# KiCad board EBAZ4205.kicad_pcb (continued)
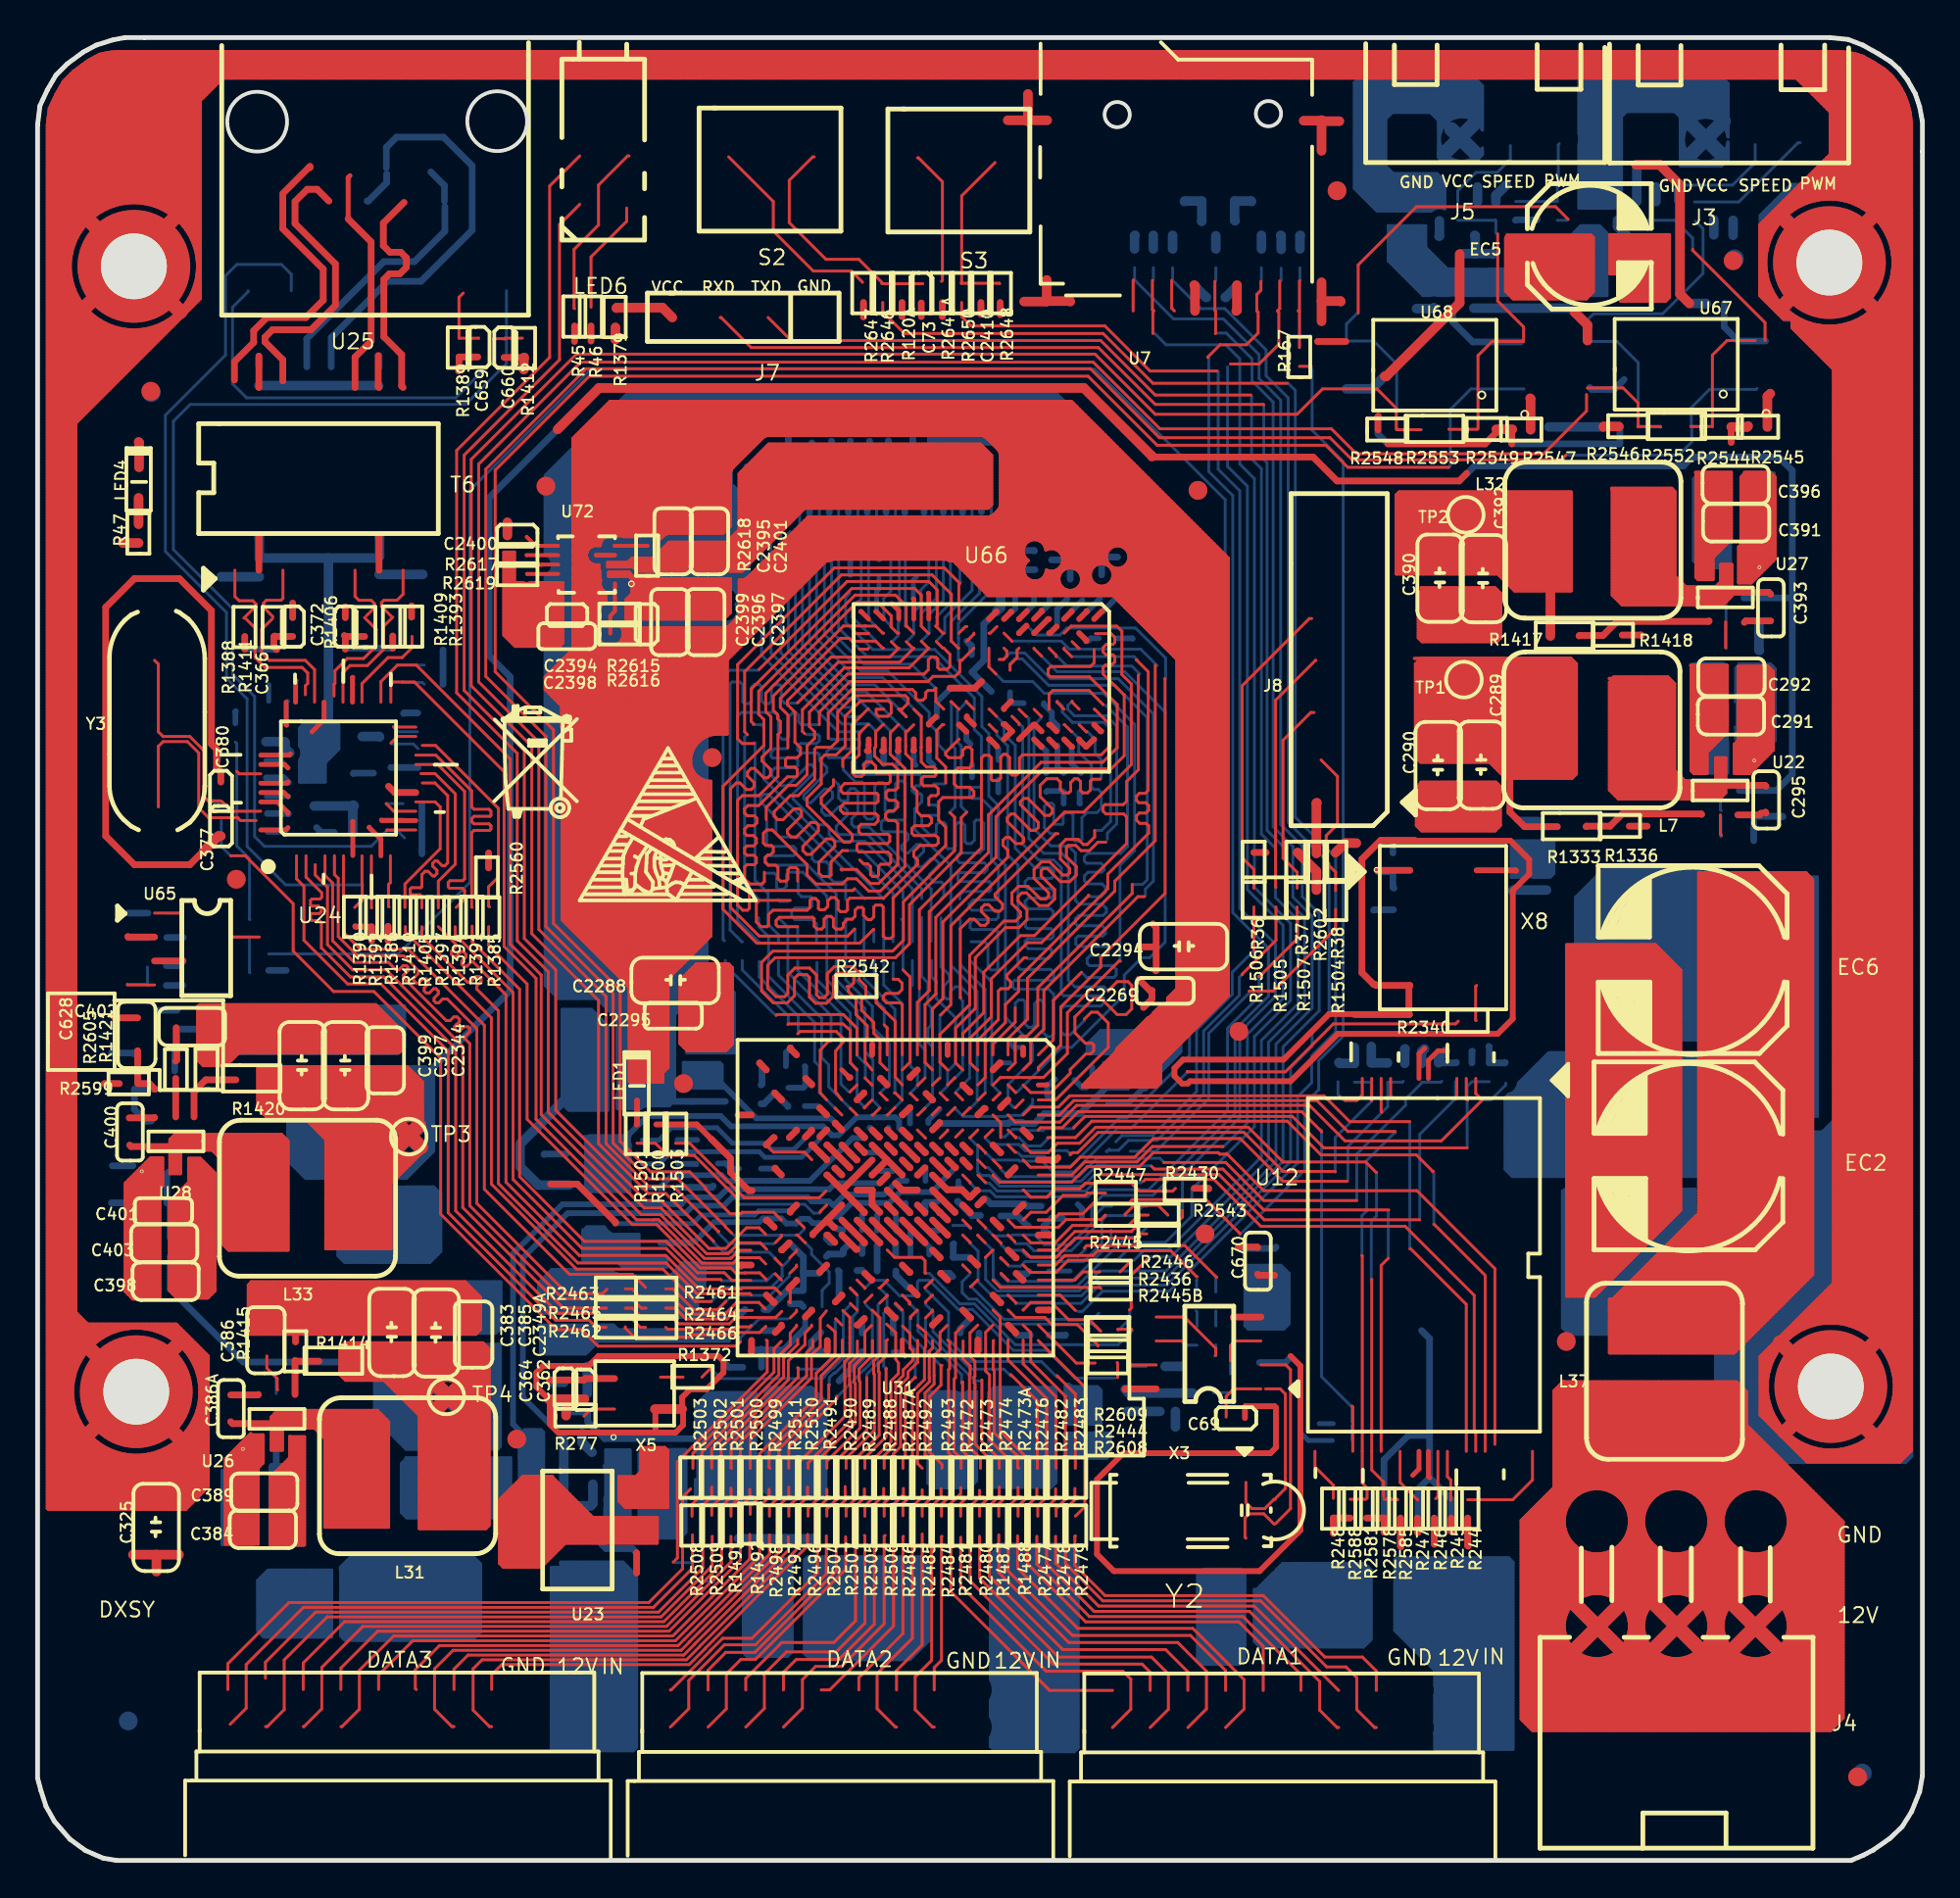
[diagram p0: board, top side]
## Routing (per net, layer and track width the routed paths; a pad name or vN(x,y) marks a point on that pad's centre or on a via; arc(x,y) is an arc through that point) (continued)
; 76.12,6.75 79.66,6.75 ; 62.71,81.67 62.71,83.66 ; 47.34,75.17 47.34,89.79 ; 3.02,29.73 3.02,74.9 ; 60.92,20.85 79.6,20.85 ; 59.45,36.6 68.66,36.6 ; 16.86,7.71 16.86,8.51 ; 83.67,51.33 84.43,51.33 ; 45.69,38.88 47.03,38.88 ; 18.47,80.28 62,80.28 ; 37.05,25.09 37.05,27.41 ; 22.58,9.93 23.74,9.93 ; 12.8,9.75 12.8,25.26 ; 27.55,25.8 43.74,25.8 ; 13.81,76.56 13.81,82.68 ; 59.91,7.68 59.91,8.45 ; 10.12,22.25 52.38,22.25 ; 64.09,7.39 64.35,7.39 ; 21.52,90.19 28.09,90.19 ; 55.72,45.17 55.72,46.92 ; 52.33,24.66 52.54,24.66 ; 54.83,29.26 54.83,37.3 ; 44.29,9.79 44.29,25.34 ; 2.92,37.87 19.19,37.87 ; 51.44,65.68 52.26,65.68 ; 7.57,43.58 28.3,43.58 ; 47.98,34.03 47.98,36.48 ; 13.5,92.1 22.65,92.1 ; 44.54,74.82 44.76,74.82 ; 10.12,22.12 52.31,22.12 ; 46.05,86.76 52.08,86.76 ; 60.74,84.09 61.24,84.09 ; 53.09,38.76 53.47,38.76 ; 70.96,76.94 70.96,88.27 ; 20.54,38.97 20.54,70.75 ; 36.42,91.59 36.42,96 ; 39.34,33.23 39.34,38.11 ; 19.78,9.95 19.78,13.95 ; 38.83,75.15 38.83,81.2 ; 87.75,49.3 93.14,49.3 ; 51.53,0.53 51.53,6.19 ; 62.33,86.6 62.33,87.13 ; 89,72.41 89.1,72.41 ; 47.54,72.41 47.81,72.41 ; 43.84,61.36 48.39,61.36 ; 24.85,6.5 25.49,6.5 ; 52.24,37.36 54.72,37.36 ; 44.8,9.27 44.8,26.02 ; 38.44,8.53 38.94,8.53 ; 50.39,25.94 50.39,31.71 ; 12.92,93.95 12.92,96.32 ; 36.36,67.71 48.78,67.71 ; 2.91,40.91 5.88,40.91 ; 36.55,9.41 36.55,23.93 ; 49.53,75.08 49.95,75.08 ; 46.2,0.54 46.2,6.31 ; 59.41,9.96 59.41,36.58 ; 52.17,30.02 52.17,30.84 ; 28.54,27.71 28.54,41.11 ; 42.01,0.54 42.01,6.23 ; 51.4,33.2 51.4,33.29 ; 59.02,7.98 59.02,8.14 ; 39.85,43.59 39.85,44.11 ; 13.36,20.21 13.65,20.21 ; 38.52,63.77 48.69,63.77 ; 37.56,0.54 37.56,6.18 ; 52.38,39.9 71.14,39.9 ; 17.1,55.52 17.93,55.52 ; 34.56,8.78 34.8,8.78 ; 72.68,69.74 73.03,69.74 ; 41.88,72.7 41.88,74.52 ; 52.19,61.74 53.86,61.74 ; 17.06,7.26 17.23,7.26 ; 47.53,34.69 48.51,34.69 ; 52.08,63.14 58.23,63.14 ; 44.45,75.08 44.85,75.08 ; 71.27,70.89 72.16,70.89 ; 52.88,66.82 54.8,66.82 ; 47.47,75.09 47.47,89.89 ; 8.19,33.42 28.97,33.42 ; 70.84,67.32 70.84,68.08 ; 35.72,8.15 37.64,8.15 ; 4.92,49.55 4.92,50.05 ; 56.64,54.76 89.25,54.76 ; 2.83,65.68 25.29,65.68 ; 58.52,29.48 66.02,29.48 ; 9.28,84.35 10.73,84.35 ; 56.71,43.58 57.39,43.58 ; 35.75,89.56 42.27,89.56 ; 34.15,7.89 35.2,7.89 ; 49.63,8.02 49.63,8.15 ; 48.64,7.01 48.8,7.01 ; 34.14,15.64 66.2,15.64 ; 8.81,80.67 24.04,80.67 ; 50.52,0.53 50.52,6.62 ; 48.74,42.03 48.74,43.19 ; 62.13,8.91 62.3,8.91 ; 48.48,59.34 48.48,61.31 ; 38.42,60.22 40.52,60.22 ; 29.26,41.3 43.01,41.3 ; 24.86,94.4 24.86,96.32 ; 50.64,25.55 51.52,25.55 ; 47.59,62.74 47.59,64.56 ; 13.68,58.31 18.43,58.31 ; 28.98,43.2 36.05,43.2 ; 46.75,38.25 46.92,38.25 ; 18.89,56.44 18.89,57.79 ; 71.09,36.98 71.09,40.07 ; 20.42,0.54 20.42,6.24 ; 43.28,75.16 43.28,86.94 ; 43.24,58.19 67.41,58.19 ; 38.7,0.54 38.7,52.18 ; 29.71,81.17 30.43,81.17 ; 35.15,23.47 35.15,23.63 ; 9.28,84.73 74.49,84.73 ; 67.79,67.32 67.79,68.08 ; 45.17,30.5 46.01,30.5 ; 11.02,6.88 11.24,6.88 ; 18.59,55.65 38.47,55.65 ; 55.98,22.82 55.98,32.27 ; 33.76,19.58 59.71,19.58 ; 11.65,84.36 11.65,90.68 ; 59.52,80.92 62.51,80.92 ; 40.62,49.3 43.2,49.3 ; 33.24,0.54 33.24,6.28 ; 50.26,63.14 50.26,72.01 ; 15.04,8.91 15.23,8.91 ; 20.97,9.55 21.34,9.55 ; 83.66,76.5 83.66,78.16 ; 69.95,64.58 69.95,65.75 ; 54.83,64.39 54.83,66.16 ; 85.95,39.59 85.95,78.15 ; 2.89,47.65 12.94,47.65 ; 21.69,89.25 21.69,96.32 ; 13.81,90.75 13.81,96.32 ; 23.46,7.73 23.46,8.49 ; 7.72,0.55 7.72,17.51 ; 78.84,53.03 78.84,55.02 ; 13.52,92.22 22.62,92.22 ; 14.32,60.35 14.32,70.75 ; 49.37,66.07 49.37,67.72 ; 54.53,64.28 54.71,64.28 ; 73.15,43.07 74.58,43.07 ; 14.41,83.71 21.76,83.71 ; 58.26,38.23 58.26,46.7 ; 28.01,75.97 80.22,75.97 ; 38.5,59.33 39.55,59.33 ; 68.55,9.68 68.55,23.07 ; 71.35,61.87 76.58,61.87 ; 13.56,58.47 13.56,60.18 ; 70.31,24.02 79.59,24.02 ; 38.58,55.74 38.58,63.05 ; 74.17,7.01 74.32,7.01 ; 70.07,43.67 70.07,53.77 ; 8.73,29.37 8.73,29.92 ; 34.2,82.95 35.9,82.95 ; 46.19,7.89 47.23,7.89 ; 39.21,45.36 39.21,71.99 ; 58.14,0.53 58.14,24.78 ; 59.66,50.09 59.66,62.68 ; 52.04,0.53 52.04,6.23 ; 9.29,90.7 11.43,90.7 ; 55.09,0.53 55.09,28.86 ; 56.61,54.47 56.61,54.67 ; 55.09,66.89 55.09,67.83 ; 19.53,39.33 19.53,39.5 ; 50.01,28.97 50.01,30.36 ; 47.4,65.81 47.49,65.81 ; 68.72,38.76 71.86,38.76 ; 59.15,47.53 59.15,49.51 ; 44.56,9.42 44.85,9.42 ; 65.63,53.95 65.63,77.37 ; 23.5,83.97 24.12,83.97 ; 10.76,0.55 10.76,6.45 ; 68.55,7.7 68.55,8.42 ; 9.28,87.4 28.31,87.4 ; 37.25,82.06 37.95,82.06 ; 66.62,30.63 70.74,30.63 ; 57.87,69.36 67.24,69.36 ; 9.37,0.55 9.37,6.59 ; 39.39,45.36 47.87,45.36 ; 53.82,0.53 53.82,32.88 ; 50.72,38.76 50.94,38.76 ; 7.46,29.37 7.46,42.84 ; 4.6,76.47 8.27,76.47 ; 72.36,72.78 72.36,86.87 ; 18.89,40.75 18.89,54.59 ; 73.17,40.53 75.08,40.53 ; 33.88,0.54 33.88,6.19 ; 23.21,25.18 23.21,25.68 ; 65.12,84.44 65.12,86.11 ; 72.14,34.31 73.22,34.31 ; 3.78,29.37 3.78,41.03 ; 16.92,6.62 17.37,6.62 ; 53.76,63.9 53.85,63.9 ; 23.05,7.39 23.27,7.39 ; 67.53,59.59 67.53,60.61 ; 51.28,64.31 51.28,65.35 ; 9.11,30.37 42.87,30.37 ; 68.3,67.33 68.3,68.07 ; 22.5,24.15 22.78,24.15 ; 83.41,76.68 83.41,78.17 ; 89,72.23 89,72.39 ; 47.59,65.95 47.59,90.02 ; 43.28,7.92 43.28,8.25 ; 55.21,64.4 55.21,66.15 ; 45.83,41.17 46.19,41.17 ; 51.4,38.88 51.4,40.5 ; 43.95,88.03 44.12,88.03 ; 56.92,57.68 93.12,57.68 ; 47.12,25.67 48.85,25.67 ; 33.5,83.01 33.5,96.31 ; 67.55,16.02 79.62,16.02 ; 34.25,9.8 35.1,9.8 ; 44.17,60.22 44.17,60.75 ; 63.6,7.92 63.6,8.2 ; 50.59,62.89 50.71,62.89 ; 36.21,26.44 40.12,26.44 ; 44.2,41.3 44.63,41.3 ; 38.32,59.79 38.32,60.13 ; 26.64,9.9 26.64,19.62 ; 21.32,72.54 38.7,72.54 ; 2.82,68.98 52.8,68.98 ; 53.06,69.09 53.06,69.31 ; 71.84,78.63 80.58,78.63 ; 46.34,74.44 47.04,74.44 ; 46.07,91.25 46.07,94.99 ; 28.94,27.71 37.02,27.71 ; 70.09,36.22 82.51,36.22 ; 48.81,43.33 69.68,43.33 ; 58.01,0.53 58.01,6.62 ; 82.9,36.6 82.9,50.59 ; 75.66,72.39 75.66,73.76 ; 64.36,33.29 79.55,33.29 ; 50.01,28.72 79.57,28.72 ; 44.29,40.37 44.29,41.36 ; 11.91,8.03 11.91,8.2 ; 43.46,13.61 66.18,13.61 ; 73.76,0.53 73.76,6.3 ; 59.53,37.25 59.53,46.96 ; 51.66,29.79 51.66,31.16 ; 55.6,51.59 55.6,59.76 ; 41.5,31.66 41.5,34.1 ; 26.9,8.53 27.44,8.53 ; 23.34,7.55 23.34,8.68 ; 21.81,89.24 21.81,96.32 ; 45.94,33.08 45.94,34.28 ; 36.05,24.79 36.53,24.79 ; 45.18,89.48 45.18,95.08 ; 26.39,10 26.39,19.77 ; 72.11,7.41 72.11,8.72 ; 41.75,13.11 41.75,25.05 ; 41.89,34.18 43.77,34.18 ; 27.04,8.78 27.3,8.78 ; 8.1,0.55 8.1,17.51 ; 65.5,86.63 65.78,86.63 ; 83.77,51.84 84.34,51.84 ; 46.96,46.79 46.96,58.91 ; 25.09,7.13 25.24,7.13 ; 46.66,41.17 46.97,41.17 ; 84.17,75.85 84.17,78.16 ; 46.48,65.43 46.74,65.43 ; 48.61,41.16 48.61,41.32 ; 27.91,76.49 27.91,96.32 ; 27.53,36.32 27.53,75.81 ; 67.91,9.67 67.91,22.98 ; 9.29,89.56 13.72,89.56 ; 75.15,0.53 75.15,6.15 ; 65.37,18.14 65.37,19.06 ; 46.06,6.24 47.36,6.24 ; 51.79,31.49 51.79,32.61 ; 43.14,52.73 70.91,52.73 ; 16.35,91.01 16.35,96.32 ; 44.8,0.54 44.8,6.91 ; 42.77,72.57 42.77,74.63 ; 66.64,7.8 66.64,8.33 ; 10.05,18.82 65.58,18.82 ; 47.21,9.86 47.21,28.48 ; 53.31,89.32 53.31,94.23 ; 52.8,89.51 52.8,94.28 ; 88.11,63.69 88.11,78.14 ; 17.88,76.56 17.88,79.79 ; 42.84,28.85 43.61,28.85 ; 22.07,84.25 22.07,87.5 ; 37.31,36.94 37.31,89.85 ; 51.56,38.76 51.74,38.76 ; 9.3,94.76 48.21,94.76 ; 46.83,88.73 46.83,89.65 ; 67.03,86.85 67.03,95.84 ; 49.75,8.03 49.75,8.15 ; 2.84,63.27 19.74,63.27 ; 49.88,72.54 49.88,74.69 ; 13.3,84.46 13.3,91.62 ; 53.04,66.44 54.64,66.44 ; 43.66,29.04 43.66,29.67 ; 21.31,76.56 21.31,87.46 ; 14.35,17.93 65.32,17.93 ; 10.76,94.18 10.76,96.32 ; 16.86,0.55 16.86,6.54 ; 66.14,31.39 79.56,31.39 ; 36.92,88.29 41.1,88.29 ; 47.85,72.58 47.85,74.62 ; 89.02,70.89 93.09,70.89 ; 64.36,78.33 64.36,95.57 ; 56.23,64.79 67.81,64.79 ; 51.66,31.34 51.66,32.86 ; 54.58,65.78 54.58,68.07 ; 1.89,6.62 9.34,6.62 ; 55.72,60.46 55.72,64.53 ; 51.4,64.25 51.4,65.5 ; 23.85,26.42 23.85,90.81 ; 60.78,22.75 79.59,22.75 ; 40.48,60.17 40.48,61.23 ; 50.01,32.18 50.01,32.78 ; 45.31,41.11 45.31,44.18 ; 63.34,9.97 63.34,26.23 ; 51.42,65.55 52.29,65.55 ; 49.37,64.13 49.37,65.28 ; 60.02,37.61 63.01,37.61 ; 68.76,65.81 69.89,65.81 ; 50.72,35.45 62.07,35.45 ; 26.51,66.66 26.51,96.32 ; 48.36,7.77 49.07,7.77 ; 36.29,66.63 36.29,67.06 ; 19.02,9.42 19.28,9.42 ; 4.37,0.78 79.68,0.78 ; 18.26,55.77 18.26,55.99 ; 16.36,88.03 16.65,88.03 ; 43.4,40.39 43.4,40.61 ; 52.17,41.25 52.17,45.01 ; 68.8,72.07 68.8,96.02 ; 21.07,7.26 21.24,7.26 ; 44.04,75.2 44.04,81.77 ; 45.82,74.96 45.82,86.7 ; 47.85,0.53 47.85,6.18 ; 39.37,32.53 39.74,32.53 ; 72.99,0.53 72.99,6.18 ; 2.82,68.09 33.41,68.09 ; 38.96,7.67 38.96,8.51 ; 56.26,51.58 58.11,51.58 ; 69.44,36.72 70.87,36.72 ; 25.75,7.95 25.75,8.27 ; 1.92,12.72 40.62,12.72 ; 43.41,12.85 79.63,12.85 ; 7.91,79.78 11.55,79.78 ; 53.69,64.39 53.69,68.93 ; 79.6,33.36 79.6,79.61 ; 65.89,8.4 66.56,8.4 ; 16.86,90.96 16.86,96.32 ; 27.63,36.22 44.46,36.22 ; 9.28,87.9 14.65,87.9 ; 50.52,7.58 50.52,8.6 ; 6.7,29.37 6.7,44.95 ; 1.92,11.32 79.64,11.32 ; 67.15,61.46 67.15,63.8 ; 9.88,9.99 9.88,18.64 ; 35.66,23.41 35.66,23.59 ; 43.02,89.49 43.02,95.31 ; 61.82,7.78 61.82,8.35 ; 2.84,63.52 19.52,63.52 ; 52.04,61.25 52.04,61.39 ; 31.85,16.77 31.85,87.3 ; 63.85,0.53 63.85,6.4 ; 64.23,0.53 64.23,33.05 ; 44.21,38.76 44.5,38.76 ; 12.03,94.39 12.03,96.32 ; 58.65,84.35 59.02,84.35 ; 44.28,30.75 44.5,30.75 ; 49.19,37.87 50.11,37.87 ; 45.31,60.45 45.31,64.5 ; 73.41,39.26 85.61,39.26 ; 66.39,9.45 66.39,13.14 ; 38.7,55.79 38.7,63.15 ; 42.5,74.7 42.75,74.7 ; 52.81,66.06 54.12,66.06 ; 24.73,84.45 24.73,90.73 ; 24.73,7.86 24.73,8.37 ; 44.29,0.54 44.29,6.38 ; 10.12,20.98 32.23,20.98 ; 46.57,6.75 46.85,6.75 ; 63.22,8 63.22,8.12 ; 36.29,0.54 36.29,6.4 ; 38.39,6.5 38.99,6.5 ; 13.43,93.21 13.43,96.32 ; 44.29,82.34 44.29,87.42 ; 10.89,84.42 10.89,90.86 ; 70.58,59.76 70.58,60.44 ; 15.05,7.26 15.22,7.26 ; 58.52,86.13 59.25,86.13 ; 12.16,80.18 12.16,90.74 ; 43.28,14.58 43.28,29.26 ; 10.12,26.44 23.01,26.44 ; 66.38,84.35 66.87,84.35 ; 28.85,42.82 51.09,42.82 ; 55.44,38.76 67.93,38.76 ; 44.36,33.04 45.22,33.04 ; 29.77,88.03 30.55,88.03 ; 83,51.96 83.21,51.96 ; 9.29,92.48 9.82,92.48 ; 65.7,53.87 69.9,53.87 ; 32.4,88.16 34.07,88.16 ; 59.77,86.51 60.01,86.51 ; 39.56,38.63 40.48,38.63 ; 66.35,18.94 79.61,18.94 ; 43.4,42.01 43.4,49.19 ; 71.34,77.27 71.34,78.83 ; 26.32,92.73 56.52,92.73 ; 43.52,72.41 43.73,72.41 ; 45.94,38.69 45.94,39.84 ; 2.89,46.25 4.66,46.25 ; 52.35,29.87 66.22,29.87 ; 50.09,9.93 51.36,9.93 ; 31.47,91.65 31.47,96.32 ; 75.8,9.8 79.64,9.8 ; 67.03,16.13 67.03,83.7 ; 40.96,60.35 41.22,60.35 ; 79.06,55.65 93.13,55.65 ; 6.32,29.37 6.32,40.66 ; 50.64,40.35 50.64,40.52 ; 44.58,8.78 44.83,8.78 ; 75.03,7.98 75.03,8.15 ; 68.42,0.53 68.42,6.62 ; 71.47,59.08 93.12,59.08 ; 52.04,38.91 52.04,39.68 ; 13.3,9.51 13.3,17.43 ; 31.59,0.54 31.59,16.1 ; 60.93,23.18 60.93,27.14 ; 48.48,0.53 48.48,6.58 ; 64.32,33.17 79.55,33.17 ; 76.82,72.03 88.45,72.03 ; 57.76,69.11 67.16,69.11 ; 66.01,84.46 66.01,86.13 ; 70.45,64.82 70.45,65.51 ; 49.63,34.87 49.63,35.71 ; 67.91,0.53 67.91,6.45 ; 48.29,31.77 49.38,31.77 ; 47.4,60.98 47.5,60.98 ; 87.06,48.79 87.15,48.79 ; 57.75,9.79 57.75,24.7 ; 76.83,62.89 88.1,62.89 ; 44.63,9.04 44.78,9.04 ; 49.12,64.27 49.12,65.43 ; 49.76,61.49 51.47,61.49 ; 26.78,8.4 27.56,8.4 ; 56.18,51.07 58.58,51.07 ; 42.45,7.64 42.95,7.64 ; 65.5,54.02 65.5,77.17 ; 54.55,63.9 54.66,63.9 ; 60.68,9.81 60.68,16.2 ; 49.79,36.47 56.11,36.47 ; 43.87,49.55 44.11,49.55 ; 21.32,76.09 27.29,76.09 ; 67.28,71.98 67.28,83.7 ; 49.74,59.84 50.71,59.84 ; 51.53,36.6 56.12,36.6 ; 2.93,35.45 50.08,35.45 ; 2.81,70.76 8.27,70.76 ; 29.83,80.79 30.39,80.79 ; 46.43,47.52 55.24,47.52 ; 35.15,0.54 35.15,6.34 ; 90.52,75.46 92.36,75.46 ; 52.89,66.19 54.79,66.19 ; 50.64,36.39 50.64,36.6 50.97,36.6 ; 9.28,84.6 74.62,84.6 ; 43.53,89.16 43.53,95.25 ; 61.69,87.55 61.69,94.79 ; 46.7,38.76 46.88,38.76 ; 39.21,41.24 39.21,44.59 ; 71.09,58.06 93.12,58.06 ; 58.99,36.47 68.7,36.47 ; 20.57,9.93 21.74,9.93 ; 50.9,63.53 50.9,63.65 ; 35.91,82.95 35.91,86.78 ; 54.58,59.41 54.58,61.48 ; 28.99,9.55 32.88,9.55 ; 41.63,0.54 41.63,6.18 ; 49.37,38.77 49.37,39.75 ; 8.96,32.02 38.86,32.02 ; 52.19,27.71 60.68,27.71 60.68,34.3 ; 41.88,91.48 41.88,95.43 ; 81.5,35.87 81.5,74.45 ; 40.32,72.66 40.78,72.66 ; 44.17,33.23 44.17,34.14 ; 12.12,79.9 17.78,79.9 ; 73.55,72.41 75.71,72.41 ; 26.23,91.97 69.89,91.97 ; 12.91,6.62 13.36,6.62 ; 78.71,75.7 78.71,80.5 ; 71.6,75.7 71.6,76.57 ; 38.99,52.34 40.12,52.34 ; 16.61,7.93 16.61,8.3 ; 87.82,49.17 93.14,49.17 ; 9.27,82.57 32.96,82.57 ; 42.9,14.6 42.9,24.57 ; 44.34,34.69 45.27,34.69 ; 74.14,34.21 74.14,36.31 ; 18.88,9.67 19.42,9.67 ; 41.15,38.76 41.33,38.76 ; 61.31,88.57 61.31,94.66 ; 51.79,0.53 51.79,6.17 ; 50.01,33.84 50.01,34.38 ; 70.45,53.87 93.13,53.87 ; 70.84,9.89 70.84,30.57 ; 64.48,47.26 64.64,47.26 ; 51.61,33.8 73.29,33.8 ; 52.67,61.29 52.67,65.31 ; 30.07,0.54 30.07,33.08 ; 40.23,49.98 40.23,50.75 ; 52.8,68.98 52.8,69.39 ; 45.94,41.04 45.94,47.02 ; 73.08,43.45 74.8,43.45 ; 64.87,47.43 64.87,48.06 ; 55.09,38.04 55.09,38.64 ; 89.89,75.79 89.89,77.9 ; 63.73,79.9 67.67,79.9 ; 46.71,37.15 46.71,38.2 ; 67.03,9.96 67.03,13.19 ; 56.1,32.88 56.1,43.65 ; 40.37,34.69 41.3,34.69 ; 9.28,88.54 14.57,88.54 ; 90.52,44.08 90.52,77.27 ; 42.64,14.52 42.64,24.32 ; 18.64,60.59 18.64,64.23 ; 21.32,76.35 27.32,76.35 ; 23.47,83.08 24.15,83.08 ; 45.69,65.91 45.69,86.68 ; 23.72,26.44 23.72,90.86 ; 88.23,63.76 88.23,69.94 ; 20.42,76.56 20.42,87.9 ; 40.26,34.82 41.43,34.82 ; 2.95,30.5 8.37,30.5 ; 74.26,60.93 74.26,61.07 ; 47.8,56.28 67.15,56.28 ; 51.02,41.19 51.02,42.11 ; 64.2,33.68 73.95,33.68 ; 34.13,7.91 34.13,8.27 ; 40.49,6.62 40.9,6.62 ; 41.99,39.9 42.09,39.9 ; 48.48,40.27 48.48,40.71 ; 9.28,86.38 58.02,86.38 ; 82.27,35.99 82.27,78.17 ; 4.85,70.38 11.39,70.38 ; 29.18,41.58 29.18,41.76 ; 48.35,8.4 49.08,8.4 ; 50.29,6.37 51.15,6.37 ; 18.89,58.56 18.89,59.09 ; 15.39,89.94 15.6,89.94 ; 57.26,21.74 79.6,21.74 ; 47.18,64.54 47.62,64.54 ; 88.88,71.9 89.06,71.9 ; 45.02,66.44 50.63,66.44 ; 73.26,39.64 86,39.64 ; 59.82,7.77 60.59,7.77 ; 9.11,30.25 42.93,30.25 ; 43.78,53.66 43.78,59.68 ; 71.67,7.89 72.81,7.89 ; 45.83,37.99 47.02,37.99 ; 71.5,71.52 72.22,71.52 ; 76.92,71.52 88.21,71.52 ; 40.84,43.96 42.02,43.96 ; 46.45,37.27 46.45,38.08 ; 36.8,43.4 36.8,44.48 ; 19.65,7.91 19.65,8.32 ; 56.23,57.78 56.23,59.96 ; 54.5,65.93 67.29,65.93 ; 39.85,9.99 39.85,28.56 ; 47.98,59.16 47.98,60.47 ; 45.98,39.9 46.86,39.9 ; 71.22,67.1 71.22,68.3 ; 66.22,18.82 79.61,18.82 ; 19.4,9.64 19.4,13.84 ; 59.24,45.36 91.82,45.36 ; 10.76,58.33 10.76,60.84 ; 69.82,54.32 69.82,55.37 ; 49.82,60.09 50.63,60.09 ; 48.48,40.99 48.48,41.45 ; 49.37,31.6 49.37,31.78 ; 66.56,79.01 71.31,79.01 ; 18.13,90.92 18.13,96.32 ; 74.14,37.04 74.14,60.61 ; 62.83,31.43 62.83,37.69 ; 69.57,36.52 69.57,40.08 ; 33.5,9.99 33.5,15.66 ; 25.75,66.66 25.75,83.08 ; 49.12,7.81 49.12,8.37 ; 56.07,32.91 72.87,32.91 ; 13.56,55.29 13.56,56.31 ; 46.32,30.89 46.32,36.49 ; 20.54,0.54 20.54,6.28 ; 50.77,60.37 50.77,60.6 ; 51.53,37.15 51.53,37.42 ; 60.04,63.27 60.04,83.86 ; 15.46,0.55 15.46,6.49 ; 29.2,41.8 42.83,41.8 ; 52.8,70.01 52.8,86.69 ; 62.09,31.14 62.37,31.14 ; 13.24,19.45 33.1,19.45 ; 47.47,56.57 47.47,62.19 ; 36.43,7.64 36.93,7.64 ; 60.17,37.55 60.17,62.52 ; 28.16,88.77 28.16,90.1 ; 82.39,51.71 82.39,78.17 ; 89.63,43.21 89.63,54.18 ; 45.84,29.99 46.23,29.99 ; 43.57,30.25 43.67,30.25 ; 2.86,55.77 38.65,55.77 ; 47.39,65.55 47.47,65.55 ; 42.26,14.59 42.26,24.41 ; 42.26,44.02 42.26,57.14 ; 35.66,24.93 35.66,25.9 ; 46.62,89.05 51.51,89.05 ; 28.79,43.58 35.79,43.58 ; 20.68,38.5 35.47,38.5 ; 32.1,91.41 32.1,96.32 ; 54.02,41.04 87.42,41.04 ; 42.3,90.57 45.85,90.57 ; 45.82,34.83 45.82,35.69 ; 54.2,26.19 54.2,33.14 ; 46.91,88.54 51.22,88.54 ; 62.45,31.31 62.45,35.38 ; 2.95,30.25 8.34,30.25 ; 57.82,7.77 58.59,7.77 ; 21.32,71.01 67.29,71.01 ; 15.59,0.55 15.59,6.38 ; 29.03,42.31 50.86,42.31 ; 42.26,0.54 42.26,6.36 ; 57.25,46.56 57.25,47.7 ; 66.49,30.75 70.65,30.75 ; 56.48,68.79 56.48,93.93 ; 46.58,0.54 46.58,6.78 ; 42.33,81.94 43.62,81.94 ; 29.05,9.42 32.81,9.42 ; 45.56,33.29 45.56,34.1 ; 55.46,39.26 72.64,39.26 ; 37.14,81.68 38.06,81.68 ; 72.23,69.48 72.23,70.03 ; 2.93,36.22 26.97,36.22 ; 47.59,0.53 47.59,6.18 ; 88.7,62.38 93.11,62.38 ; 72.58,39.01 72.79,39.01 ; 67.28,64.38 67.28,65.96 ; 68.34,64.79 70.31,64.79 ; 10.12,25.67 12.36,25.67 ; 7.68,42.95 28.24,42.95 ; 66.06,8.66 66.39,8.66 ; 48.64,55.39 67.88,55.39 ; 44.88,65.43 45.07,65.43 ; 5.56,29.37 5.56,77.43 ; 51.28,38.91 51.28,40.46 ; 2.92,38.88 19.01,38.88 ; 2.93,35.71 27.04,35.71 ; 40.1,0.54 40.1,6.27 ; 84.04,37.72 84.04,52.36 ; 16.66,7.89 17.63,7.89 ; 12.16,94.36 12.16,96.32 ; 26.01,64.66 26.13,64.66 ; 13.41,91.84 22.74,91.84 ; 43.66,38.62 43.66,39.93 ; 48.48,37.02 48.48,37.53 ; 53.99,88.29 60.63,88.29 ; 9.29,90.57 13.68,90.57 ; 50.62,72.54 72.11,72.54 ; 2.8,73.17 8.27,73.17 ; 57.63,38.55 57.63,43.6 ; 64.74,93.54 64.74,95.61 ; 71.34,37.01 71.34,39.48 ; 42.52,25.17 48.91,25.17 ; 51.79,41.17 51.79,45.06 ; 46.45,59.44 46.45,59.78 ; 2.93,36.09 26.92,36.09 ; 59.68,86.25 60.09,86.25 ; 29.05,8.78 32.79,8.78 ; 38.43,60.73 41.32,60.73 ; 12.42,9.98 12.42,25.44 ; 56.61,38.05 56.61,43.51 ; 65.25,47.33 65.25,53.28 ; 46.71,29.2 46.71,29.38 ; 45.82,41.18 45.82,46.64 ; 27.91,8.01 27.91,8.21 ; 41.75,40.42 41.75,59.5 ; 10.51,9.94 10.51,48.83 ; 44.09,60.35 44.32,60.35 ; 13.94,18.21 13.94,19.49 ; 26.51,20.22 26.51,64.52 ; 45.52,26.06 46.55,26.06 ; 46.11,47.01 55.26,47.01 ; 21.53,90.06 28.2,90.06 ; 24.23,8.05 24.23,8.17 ; 72.17,9.04 72.32,9.04 ; 39.69,81.68 40.61,81.68 ; 46.07,65.24 46.07,65.33 ; 57.88,26.68 57.88,28.06 ; 17.23,90.7 17.85,90.7 ; 65.37,54.04 65.37,77.1 ; 56.87,93.67 56.87,93.93 ; 35.4,82.22 35.4,86.73 ; 40.99,0.54 40.99,6.5 ; 25.24,0.54 25.24,7.09 ; 41.24,60.62 41.24,72.04 ; 78.07,75.52 78.07,81.14 ; 68.1,6.75 68.36,6.75 ; 52.17,65.13 52.17,86.73 ; 20.16,39.3 20.16,63.33 ; 35.91,0.54 35.91,6.2 ; 41.63,89.26 41.63,89.74 ; 45.63,33.29 47.89,33.29 ; 39.41,44.6 39.54,44.6 ; 58.5,84.48 59.21,84.48 ; 14.45,8 14.45,8.23 ; 58.93,48.41 64.33,48.41 ; 70.58,67.36 70.58,68.04 ; 9.06,80.92 23.86,80.92 ; 69.69,24.47 69.69,35.76 ; 68.4,57.17 69.65,57.17 ; 89.65,72.41 93.08,72.41 ; 76.12,7.39 79.65,7.39 ; 46.32,91.46 46.32,94.96 ; 68.68,0.53 68.68,6.33 ; 45.89,33.17 46.94,33.17 ; 8.85,34.69 36.88,34.69 ; 48.1,72.78 48.1,74.42 ; 63.09,86.54 63.09,95.26 ; 66.15,7.01 66.3,7.01 ; 71.26,68.35 93.09,68.35 ; 36.63,43.58 39.84,43.58 ; 15.84,89.18 15.84,89.46 ; 68.3,0.53 68.3,22.87 ; 13.05,93.83 13.05,96.32 ; 58.1,93.62 64.8,93.62 ; 36.04,30.1 36.04,30.67 ; 12.94,9.55 13.32,9.55 ; 43.4,0.54 43.4,6.22 ; 40.17,7.89 41.22,7.89 ; 38.5,59.58 39.76,59.58 ; 65.63,7.91 65.63,8.22 ; 70.96,57.23 70.96,57.99 ; 25.8,93.87 57.4,93.87 ; 75.28,0.53 75.28,6.15 ; 40.1,59.58 40.1,61.44 ; 58.52,32.21 58.52,35.89 ; 12,79.78 17.9,79.78 ; 60.37,63.01 67.81,63.01 ; 10.12,23.26 34.99,23.26 ; 21.32,74.7 38.68,74.7 ; 37.23,89.81 40.87,89.81 ; 69.06,0.53 69.06,6.16 ; 34.01,16.23 34.01,67.38 ; 43.15,37.26 43.15,39.64 19.83,39.64 ; 75.66,40.9 75.66,60.51 ; 45.94,34.7 45.94,35.79 ; 66.22,17.42 71.26,17.42 ; 72.23,0.53 72.23,31.88 ; 32.14,88.79 34.23,88.79 ; 71.42,60.98 73.47,60.98 ; 46.66,29.23 47.08,29.23 ; 46.71,38.75 46.71,40.57 ; 64.8,46.5 92.99,46.5 ; 50.62,74.7 80.95,74.7 ; 18.64,40.77 18.64,54.44 ; 1.95,17.17 13.61,17.17 ; 75.36,43.2 76.85,43.2 ; 72.87,40.96 72.87,42.82 ; 74.26,20.72 74.26,33.46 ; 2.9,44.72 35.47,44.72 ; 67.28,84.45 67.28,86.11 ; 47.39,37.23 47.89,37.23 ; 9.29,93.49 10.07,93.49 ; 2.85,59.71 14.45,59.71 ; 68.17,69.89 68.17,70.58 ; 55.72,33.01 55.72,44.38 ; 59.17,51.58 67.66,51.58 ; 52.11,63.52 58.42,63.52 ; 29.58,40.79 38.84,40.79 ; 43.54,87.14 44.49,87.14 ; 57.25,69.7 57.25,92 ; 51.53,63.68 51.53,63.76 ; 70.05,35.96 81.62,35.96 ; 67.41,84.37 67.41,86.16 ; 68.92,66.82 69.73,66.82 ; 33.24,9.9 33.24,19.35 ; 27.27,0.54 27.27,6.9 ; 17.17,55.27 17.92,55.27 ; 56.1,60.35 56.1,64.6 ; 40.23,0.54 40.23,6.34 ; 19.85,40.28 29.03,40.28 ; 44.42,60.44 44.42,64.54 ; 53.25,68.35 54.58,68.35 ; 42.86,86.76 45.05,86.76 45.05,75.21 ; 10.12,27.58 26.77,27.58 ; 16.76,64.41 18.52,64.41 ; 9.27,82.06 32.85,82.06 ; 60.68,88.48 60.68,94.45 ; 83.66,51.95 83.66,52.33 ; 16.61,88.36 16.61,89.18 ; 69.92,9.67 70.55,9.67 ; 